# Altium PCB Bran_Main_Assay_PCB_v1.PcbDoc (part 4 of 4)
Units mil, origin at the board's own origin, x right, y up, seen from the top; angles counter-clockwise.
Board outline 3464.57 x 1881.89 mil, 6 copper layers (TOP, GND1, Singal, POWER, GND2, BOTTOM), stack 47.65 mil thick; 366 components, 309 nets, 1358 pads, 596 vias.
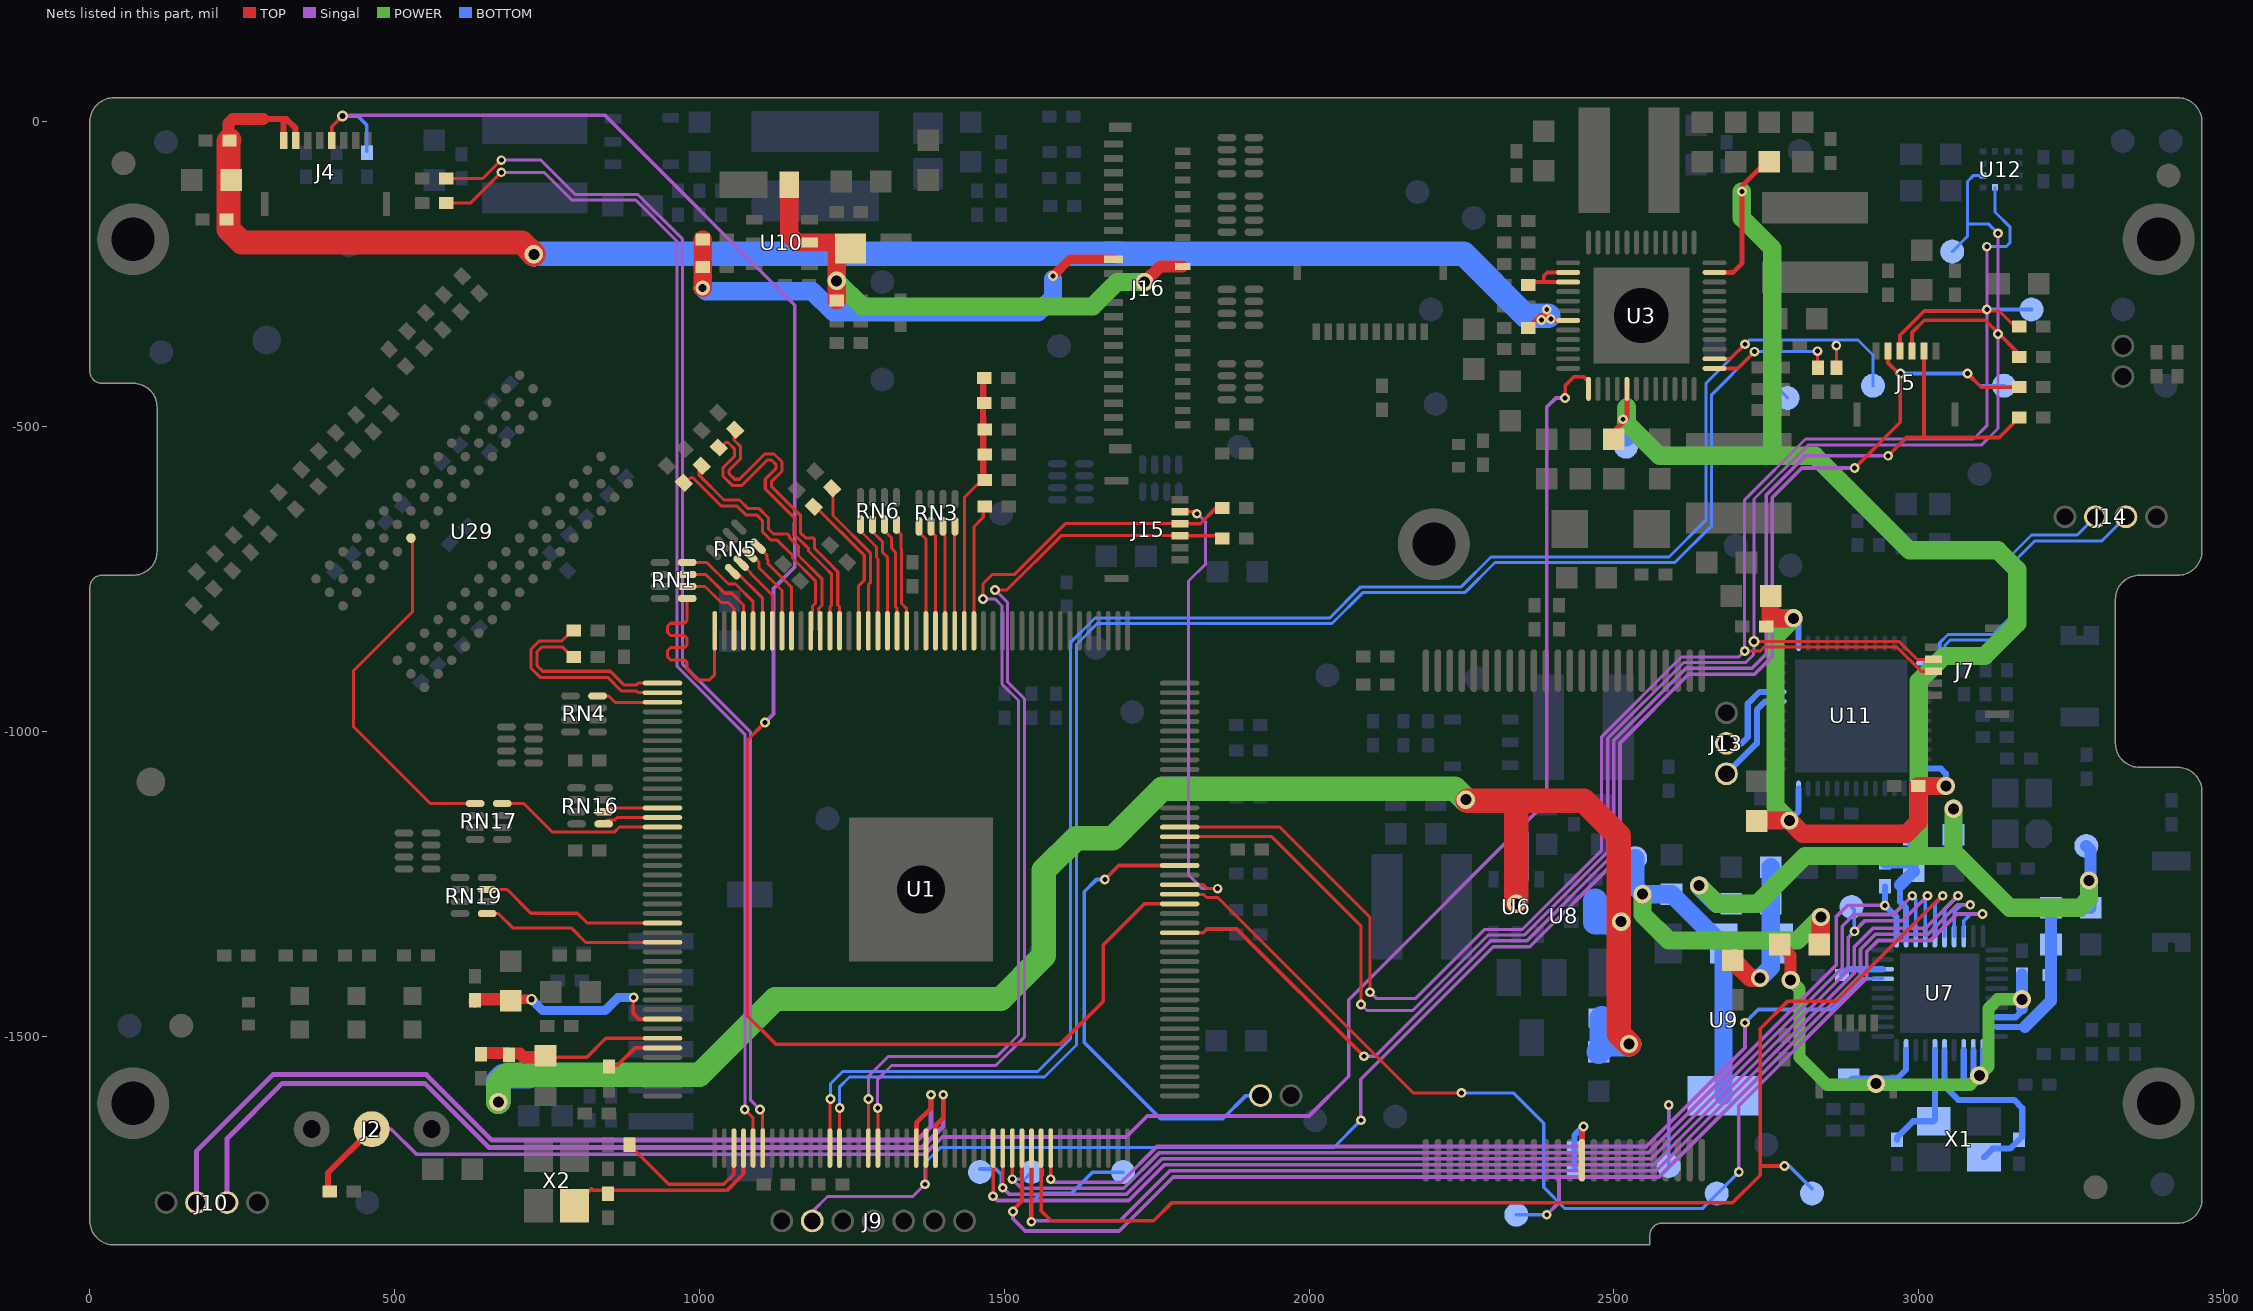
[diagram p8: the nets of this part, all layers, seen from the top]

## Via types
v1: diameter 16, hole 8, TOP to BOTTOM, tented both sides, 396 vias
v2: diameter 30, hole 18, TOP to BOTTOM, tented both sides, 64 vias
v3: diameter 18, hole 10, TOP to BOTTOM, tented both sides, 60 vias
v4: diameter 22, hole 12, TOP to BOTTOM, tented both sides, 35 vias
v5: diameter 25.98, hole 12.99, TOP to BOTTOM, tented both sides, 16 vias
v6: diameter 24, hole 13, TOP to BOTTOM, tented both sides, 15 vias
v7: diameter 19.68, hole 7.87, TOP to BOTTOM, tented both sides, 9 vias
v8: diameter 17.99, hole 10, TOP to BOTTOM, tented both sides, 1 vias

## Nets (pads, with @x,y where several pads share a name; then routed paths per layer and width w, separated by ;. In a path a pad name is that pad's centre, name@x,y a point inside that pad or via, vN(x,y) a via of type N, cw(c..) or ccw(c..) an arc to the next point about the centre after c; other vN are vias at no path point) (continued)
SCAS: RN16.5 U1.59 | length 100.8
  TOP w5: RN16.5@842.93,-1151.94 849.6,-1145.26 861.03,-1145.26 864.87,-1141.43 U1.59@939.38,-1141.43
SCK: R65.2 U1.45 | length 310.5
  TOP w5: R65.2@791.14,-877.81 774.88,-861.54 741.59,-861.54 733.59,-869.54 733.59,-892.39 742.74,-901.54 853.74,-901.54 876.03,-923.83 896.86,-923.83 899.73,-920.96 U1.45@939.38,-920.96
SCK-N: R68.2 U1.46 | length 343.8
  TOP w5: R68.2@791.14,-834.81 774.41,-851.54 737.44,-851.54 723.59,-865.39 723.59,-896.54 738.59,-911.54 849.59,-911.54 871.88,-933.83 896.86,-933.83 899.74,-936.71 U1.46@939.38,-936.71
SCKE: RN4.8 U1.47 | length 110.9
  TOP w5: RN4.8@832.84,-942.01 851.15,-942.01 861.59,-952.44 U1.47@939.38,-952.44
SDQ0: RN3.5 U1.22 | length 176.6
  TOP w5: RN3.5@1360.06,-663.8 1360.06,-673.44 1371.94,-685.33 1371.94,-701.9 1371.46,-702.39 U1.22@1371.46,-835.33
SDQ1: RN1.8 U1.40 | length 182.8
  TOP w5: RN1.8@979.84,-723.01 1012.06,-723.01 1047.59,-758.54 1059.15,-758.54 1088,-787.39 U1.40@1088,-835.33
SDQ2: RN3.6 U1.21 | length 174.5
  TOP w5: RN3.6@1379.75,-663.8 1379.75,-671.92 1386.94,-679.11 1386.94,-686.44 U1.21@1387.21,-835.33
SDQ3: RN1.7 U1.41 | length 155.7
  TOP w5: RN1.7@979.84,-742.69 1010.53,-742.69 1041.38,-773.55 1052.94,-773.55 1072.25,-792.86 U1.41@1072.25,-835.33
SDQ4: RN3.8 U1.19 | length 171.5
  TOP w5: U1.19@1418.71,-835.33 1418.71,-685.85 RN3.8@1419.12,-663.8
SDQ5: RN1.5 U1.44 | length 349.6
  TOP w5: RN1.5@979.84,-782.07 979.83,-817.78 974.83,-822.78 952.59,-822.78 947.59,-827.78 947.59,-837.78 952.59,-842.78 974.83,-842.78 979.83,-847.78 979.83,-857.78 974.83,-862.78 952.59,-862.78 947.59,-867.78 947.59,-877.78 952.59,-882.78 974.83,-882.78 979.83,-887.78 979.83,-898.78 996.59,-915.54 1016.59,-915.54 1025.01,-907.12 U1.44@1025.01,-835.33
SDQ6: RN3.7 U1.20 | length 198.2
  TOP w5: U1.20@1402.96,-835.33 1402.96,-782.28 1402.59,-781.9 1402.96,-760.8 1402.96,-680.19 1401.94,-679.17 ; RN3.7@1399.43,-663.8 1399.43,-670.38 RN3.7@1400.71,-671.66 ; RN3.7@1399.43,-663.8 RN3.7@1400.71,-671.66 ; RN3.7@1399.43,-663.8 RN3.7@1401.94,-672.89 ; RN3.7@1400.71,-671.66 1401.94,-679.17 ; RN3.7@1400.71,-671.66 RN3.7@1401.94,-672.89 ; 1401.94,-679.17 RN3.7@1401.94,-672.89
SDQ7: RN1.6 U1.42 | length 128.6
  TOP w5: RN1.6@979.84,-762.38 1008.99,-762.38 1035.16,-788.55 1046.72,-788.55 1056.5,-798.33 U1.42@1056.5,-835.33
SDQ8: RN5.7 U1.37 | length 148.7
  TOP w5: RN5.7@1082.28,-710.31 1085.31,-710.31 1097.54,-722.54 1097.54,-731.5 1135.24,-769.19 U1.37@1135.24,-835.33
SDQ9: RN6.7 U1.25 | length 183.2
  TOP w5: RN6.7@1303.42,-660.79 1303.43,-670.99 1315.32,-682.88 1315.32,-700.33 1321.42,-706.43 1321.42,-795.58 1324.22,-798.39 U1.25@1324.22,-835.33
SDQ10: RN5.5 U1.39 | length 120.8
  TOP w5: RN5.5@1054.44,-738.15 1059.98,-738.15 1103.75,-781.92 U1.39@1103.75,-835.33
SDQ11: RN6.8 U1.24 | length 181.5
  TOP w5: RN6.8@1323.11,-660.79 1323.12,-669.46 1330.32,-676.65 1330.32,-700.12 1331.42,-701.22 1331.42,-790.37 1339.97,-798.92 U1.24@1339.97,-835.33
SDQ12: RN5.8 U1.36 | length 161.6
  TOP w5: RN5.8@1096.2,-696.39 1110.59,-710.79 1110.59,-717.4 1112.54,-719.36 1112.54,-725.28 1150.99,-763.72 U1.36@1150.99,-835.33
SDQ13: RN6.6 U1.26 | length 184.8
  TOP w5: RN6.6@1283.74,-660.79 1283.75,-672.53 1300.32,-689.1 1300.32,-706.55 1308.47,-714.69 U1.26@1308.47,-835.33
SDQ14: RN5.6 U1.38 | length 132.3
  TOP w5: RN5.6@1068.36,-724.23 1083.68,-739.54 1083.68,-740.62 1119.5,-776.44 U1.38@1119.5,-835.33
SDQ15: RN6.5 U1.27 | length 186.4
  TOP w5: RN6.5@1264.05,-660.79 1264.06,-671.36 1290.32,-697.62 1290.32,-714.97 1292.72,-717.37 U1.27@1292.72,-835.33
SDQM0: R76.1 U1.29 | length 241.2
  TOP w5: R76.1@1189.18,-633.12 1191.98,-633.12 1270.31,-711.46 1270.31,-752.36 1261.23,-761.44 U1.29@1261.23,-835.33
SDQM1: R77.1 U1.28 | length 258.9
  TOP w5: R77.1@1219.18,-603.12 1219.18,-646.17 1280.31,-707.3 1280.31,-756.51 1276.98,-759.83 U1.28@1276.98,-835.33
SDQS0: R72.1 U1.31 | length 535.6
  TOP w5: R72.1@1060.18,-507.13 1056.67,-510.64 1056.67,-522.29 1067.63,-533.26 1067.63,-552.69 1048.59,-571.72 1048.59,-577.39 1057.75,-586.55 1065.51,-586.55 1074.66,-577.4 1107.04,-545.01 1122.38,-545.01 1135.37,-558 1135.37,-573.33 1117.92,-590.79 1117.92,-597.87 1165.5,-645.45 1165.5,-674.16 1173.99,-682.65 1186.01,-682.65 1186.22,-682.43 1188.59,-684.8 1188.59,-699.82 1189.59,-700.82 1209.14,-720.38 1226.86,-738.08 1226.86,-792.81 1229.73,-795.68 U1.31@1229.73,-835.33
SDQS0-N: R73.1 U1.32 | length 524.9
  TOP w5: R73.1@1033.18,-536.12 1042.87,-526.44 1046.68,-526.44 1057.63,-537.4 1057.63,-548.54 1038.59,-567.58 1038.59,-581.54 1053.6,-596.55 1069.66,-596.55 1084.66,-581.55 1111.19,-555.01 1118.23,-555.01 1125.37,-562.15 1125.37,-569.19 1107.92,-586.64 1107.92,-602.01 1156.5,-650.6 1156.5,-677.88 1178.59,-699.97 1178.59,-703.97 1179.59,-704.97 1205,-730.38 1216.86,-742.24 1216.86,-792.81 1213.98,-795.69 U1.32@1213.98,-835.33
SDQS1: R74.1 U1.33 | length 397
  TOP w5: R74.1@1005.18,-566.13 999.59,-571.72 999.59,-579.97 1040.23,-620.62 1065.67,-620.62 1079.9,-634.85 1097.9,-634.85 1113.1,-650.05 1113.1,-668.05 1121.59,-676.54 1144.74,-676.54 1147.5,-679.3 1147.5,-681.61 1162.59,-696.7 1162.59,-711.6 1200.7,-749.71 1200.7,-793.58 1195.59,-798.69 1195.59,-832.68 U1.33@1198.24,-835.33
SDQS1-N: R75.1 U1.34 | length 387.3
  TOP w5: R75.1@976.18,-594.12 976.18,-592.94 984.59,-584.54 990,-584.54 1036.08,-630.62 1061.52,-630.62 1075.75,-644.85 1093.75,-644.85 1103.1,-654.19 1103.1,-672.19 1117.44,-686.54 1127.78,-686.54 1152.59,-711.34 1152.59,-715.75 1190.7,-753.86 1190.7,-789.43 1185.59,-794.54 1185.59,-832.22 U1.34@1182.49,-835.33
SODT: RN19.5 U1.72 | length 307
  TOP w5: RN19.5@651.84,-1299.07 670.12,-1299.07 693.59,-1322.54 789.59,-1322.54 813.2,-1346.15 U1.72@939.38,-1346.15
SRAS: RN16.6 U1.58 | length 99.2
  TOP w5: RN16.6@842.93,-1132.25 849.5,-1125.68 U1.58@939.38,-1125.68
SRST: RN19.7 U1.70 | length 310.3
  TOP w5: RN19.7@651.84,-1259.69 684.59,-1259.69 723.43,-1298.54 799.55,-1298.54 815.67,-1314.65 U1.70@939.38,-1314.65
SVREF: C82.2 C84.1 C148.2 R89.1 R91.2 U1.18 | length 584.8
  TOP w5: U1.18@1434.46,-835.33 1434.46,-616.65 C148.2@1463.58,-587.54 ; C84.1@1464.98,-461.42 C82.2@1465,-504.15 ; C148.2@1465.49,-587.22 C148.2@1463.58,-587.54 ; C148.2@1465.54,-587.22 C148.2@1465.92,-587.15 ; C148.2@1463.58,-587.54 1465.54,-587.54 C148.2@1465.92,-587.15 ; C82.2@1465,-504.15 C82.2@1465.53,-504.68 ; C82.2@1465,-504.15 C82.2@1465.53,-504.69 ; C82.2@1465.53,-504.68 C82.2@1465.92,-505.08 ; C82.2@1465.53,-504.69 C82.2@1465.92,-505.08 ; C148.2@1465.92,-587.15 1465.92,-545.58 C82.2@1465.92,-505.08
  TOP w6: R89.1@1464.47,-420.19 1465,-420.72 1465.54,-442.94
  TOP w8.92: C82.2@1465,-504.15 C82.2@1465.54,-505.08
  TOP w9.22: R91.2@1465.54,-545.57 R91.2@1465.92,-545.57
  TOP w10: R89.1@1464.47,-420.19 1465,-420.72 1465.54,-421.26 1465.54,-442.94 1464.98,-461.33 C84.1@1464.98,-461.4 ; C84.1@1464.98,-461.44 1465.53,-504.68 C82.2@1465.54,-505.08 ; C148.2@1465.54,-587.54 1465.54,-587.22 R91.2@1465.54,-545.58 ; R91.2@1465.54,-545.57 C82.2@1465.54,-505.08 ; C82.2@1465.92,-505.08 C82.2@1465.54,-505.08
SWDCLK: J14.3 U11.25 | length 455.2
  BOTTOM w5: U11.25@3008.66,-888.11 3027.78,-888.11 3034.57,-881.32 3034.57,-854.72 3048.07,-841.22 3122.49,-841.22 3150.57,-813.15 3150.57,-712.58 3185,-678.15 3260,-678.15 J14.3@3290,-648.15
SWDIO: J14.2 U11.26 | length 514.7
  BOTTOM w5: U11.26@3008.66,-903.86 3030.43,-903.86 3043.57,-890.72 3043.57,-858.45 3051.79,-850.22 3127.93,-850.22 3159.57,-818.58 3159.57,-718.58 3190,-688.15 3300,-688.15 J14.2@3340,-648.15
SWE: RN17.8 U1.60 | length 285.4
  TOP w5: RN17.8@676.47,-1118.43 711.59,-1118.54 758.01,-1164.96 861.03,-1164.96 868.81,-1157.18 U1.60@939.38,-1157.18
SZQ: R94.2 U1.17 | length 210.1
  TOP w5: U1.17@1450.2,-835.33 1450.2,-664.4 1465.54,-649.07 R94.2@1465.54,-631.54
T_ALERT: J5.5 R132.2 U1.150 | length 2302.6
  TOP w6: U1.150@1787.8,-1330.4 1826.6,-1330.4 1832.73,-1324.28 1881.13,-1324.28 v1(2090,-1533.15) ; v1(2950,-548.15) 2980,-518.15 3132.17,-518.15 R132.2@3164.69,-485.63 ; 3008.86,-517.01 J5.5@3008.86,-375.98
  Singal w6: v1(2090,-1533.15) 2108.44,-1533.15 2298.16,-1343.43 2357.66,-1343.43 2500,-1201.09 2500,-1015.07 2618.44,-896.63 2700.14,-896.63 ; 2700.16,-896.65 2726.5,-896.65 2750,-873.15 2750,-612.44 2814.29,-548.15 v1(2950,-548.15)
T_RESET: J5.2 J9.2 R133.2 TP28.1 U1.111 | length 3109.6
  TOP w5: v1@1371.46,-1741.69 U1.111@1371.46,-1683.75
  TOP w6: v1(2895,-568.15) 2970,-493.15 v1(2970,-413.15) 2967.19,-413.15 2949.8,-395.76 J5.2@2949.8,-375.98 ; v1(3080,-413.15) 3102.48,-435.63 R133.2@3157.32,-435.63
  Singal w5: J9.2@1185,-1803.15 1185,-1788.15 1210,-1763.15 1350,-1763.15 v1(1370,-1743.15)
  Singal w6: v1(2085,-1638.15) 2085,-1570.73 2302.3,-1353.43 2361.81,-1353.43 2510,-1205.23 2510,-1019.21 2622.57,-906.65 2682.72,-906.65 ; 2682.74,-906.63 2696,-906.63 2730.64,-906.65 2760,-877.29 2760,-616.58 2808.43,-568.15 v1(2895,-568.15)
  BOTTOM w5: v1(1370,-1743.15) 1370,-1708.15 1395,-1683.15 2040,-1683.15 v1(2085,-1638.15)
  BOTTOM w6: v1@2968.59,-413.15 v1(2970,-413.15) v1(3080,-413.15) 3100,-433.15 TP28.1@3140,-433.15
TP-INT: J15.2 U1.155 | length 762.3
  TOP w5: U1.155@1787.8,-1251.67 1826.6,-1251.67 1833.09,-1258.15 v1(1850,-1258.15)
  TOP w6: J15.2@1788.1,-639.76 1812.5,-639.76 v1(1815.88,-643.14)
  Singal w5: v1(1815.88,-643.14) 1817.14,-643.14 1831,-657 1830.37,-657.63 1830.37,-725.63 1802.37,-753.63 1802.37,-1235.52 1825,-1258.15 v1(1850,-1258.15)
TS: J2.2 R10.2 U3.37 | length 3153.1
  TOP w6: v1(2420,-453.15) 2420,-433.15 2435,-418.15 2450,-418.15 2458.39,-426.54 U3.37@2458.39,-438.23
  TOP w10: R10.2@391.32,-1754.63 390.37,-1753.68 390.37,-1724.63 J2.2@462.37,-1652.63
  Singal w6: J2.2@462.37,-1652.63 494.48,-1652.63 535.48,-1693.63 1370.08,-1693.63 1398.08,-1665.63 1700,-1665.63 1734.63,-1631 2000,-1631 2065,-1566 2065,-1440.21 2390,-1115.21 2390,-468.15 2405,-453.15 v1(2420,-453.15)
TWI0-SCK: R8.2 TP47.1 U1.101 U3.2 | length 2988.8
  TOP w5: U1.101@1213.98,-1683.75 v1@1213.98,-1604.17 ; R8.2@2865,-403.46 v1(2865,-367.29)
  TOP w6: U3.2@2665.08,-389.02 2691.09,-389.02 v1(2715,-365.1)
  BOTTOM w5: v1(1215,-1603.15) 1215,-1578.15 1235,-1558.15 1555,-1558.15 1608.37,-1504.78 1608.37,-854.78 1648.97,-814.18 2033.97,-814.18 2085,-763.15 2249.57,-763.15 2298.57,-714.15 2590.37,-714.15 2651.37,-653.15 2651.37,-428.73 v1(2715,-365.1) 2721.95,-358.15 2865,-358.15 2900.51,-358.15 2925,-382.64 TP47.1@2925,-433.15
TWI0-SDA: R7.2 TP46.1 U1.102 U3.1 | length 2905.3
  TOP w5: U1.102@1229.73,-1683.75 1229.73,-1618.42 v1(1230,-1618.15) ; R7.2@2830,-403.46 2832.5,-400.96 2834.14,-399.32 v1(2834.14,-376.43)
  TOP w6: U3.1@2665.08,-404.76 2703.39,-404.76 v1(2730.86,-377.29)
  BOTTOM w5: v1(1230,-1618.15) 1230,-1583.15 1246,-1567.15 1566,-1567.15 1618.37,-1514.78 1618.37,-857.51 1652.7,-823.18 2037.7,-823.18 2088.73,-772.15 2256,-772.15 2305,-723.15 2600,-723.15 2660.37,-662.78 2660.37,-447.78 v1(2730.86,-377.29) 2765,-377.29 ; TP46.1@2785,-453.15 2765,-433.15 2765,-377.29 ; v1@2834.14,-377.29 2765,-377.29
TWI1-SCK: J15.3 R6.2 U1.105 | length 1611.9
  TOP w5: U1.105@1276.98,-1683.75 v1@1276.98,-1611.02 ; v1(1465,-783.15) 1465,-758.15 1480,-743.15 1516.58,-743.15 1600.28,-659.45 J15.3@1788.1,-659.45
  TOP w6: J15.3@1788.1,-659.45 1821.37,-659.45 1847.19,-633.63 R6.2@1857.69,-633.63 R6.2@1865.32,-633.63
  Singal w5: v1(1277.37,-1603.15) 1277.37,-1565.78 1310,-1533.15 1488.37,-1533.15 1523.37,-1498.15 1523.37,-949.63 1496.37,-922.63 1496.37,-794.52 1485,-783.15 v1(1465,-783.15)
TWI1-SDA: J15.4 R5.2 U1.106 | length 1556.5
  TOP w5: U1.106@1292.72,-1683.75 v1@1292.72,-1618.5 ; v1(1485,-768.15) 1504.31,-768.15 1593.32,-679.13 J15.4@1788.1,-679.13
  TOP w6: J15.4@1788.1,-679.13 1857.69,-679.13 1864.37,-679.13 1866.32,-681.09 R5.2@1866.32,-683.63
  Singal w5: v1(1292.37,-1618.15) 1292.37,-1570.78 1315,-1548.15 1486.1,-1548.15 1533.37,-1500.88 1533.37,-946.9 ; v1(1485,-768.15) 1505.37,-788.52 1505.37,-918.9 1532.37,-945.9 1532.37,-946.9
TWI2-SCK: J5.3 J7.3 R4.2 TP21.1 U1.161 U12.12 | length 3241.3
  TOP w5: U1.161@1787.8,-1157.18 1952.37,-1157.18 1952.37,-1157.63 2100,-1305.26 v1(2100,-1428.15) ; v1(2714.65,-868.5) 2739.65,-868.5 2746.15,-862 2964.57,-862 3004.14,-901.57 J7.3@3024.42,-901.57 ; v1(3111.85,-308.15) 3114.33,-310.63 3132.32,-310.63 3157.32,-335.63 R4.2@3164.69,-335.63
  TOP w6: J5.3@2968.37,-377.1 J5.3@2969.49,-375.98 2969.49,-350.51 3009.37,-310.63 v1@3109.37,-310.63
  Singal w5: v1(2100,-1428.15) 2110,-1438.15 2175,-1438.15 2288.22,-1324.93 2350,-1324.93 2480,-1194.93 2480,-1008.91 2610.78,-878.13 2705.02,-878.13 v1(2714.65,-868.5) 2714.65,-620.35 2814.37,-520.63 3090,-520.63 3111.85,-498.78 v1(3111.85,-308.15) v1(3111.85,-205)
  BOTTOM w5: v1(3111.85,-205) 3143.15,-205 3150,-198.15 3150,-173.15 3125.16,-148.31 U12.12@3125.16,-107.68
  BOTTOM w6: v1(3111.85,-308.15) TP21.1@3185,-308.15
TWI2-SDA: J5.4 J7.4 R3.2 TP20.1 U1.160 U12.2 | length 3267.7
  TOP w5: U1.160@1787.8,-1172.93 1938.67,-1172.93 2085,-1319.26 v1(2085,-1448.15) ; v3(2730.15,-853) 2968.29,-853 2997.18,-881.89 J7.4@3024.42,-881.89
  TOP w6: J5.4@2989.17,-375.98 2989.17,-345.83 3009.37,-325.63 3109.37,-325.63 3130.94,-347.2 3162.32,-378.58 R3.2@3162.32,-385.63
  Singal w5: v1(2085,-1448.15) 2095,-1458.15 2170,-1458.15 2294.22,-1333.93 2353.73,-1333.93 2490,-1197.66 2490,-1011.64 2614.51,-887.13 2704.07,-887.13 ; 2704.09,-887.15 2716.51,-887.15 2729.15,-874.5 2729.15,-869 2730,-868.15 2730,-853 2730,-619 2818.37,-530.63 3102.52,-530.63 3130,-503.15 v1(3130,-348.15) v1(3130,-183.15)
  BOTTOM w5: TP20.1@3055,-213.15 3080,-188.15 3080,-168.15 ; U12.2@3105.47,-87.99 3090.16,-87.99 3080,-98.15 3080,-168.15 ; v1(3130,-183.15) 3115,-168.15 3080,-168.15
UART0_RX: J10.3 U1.112 | length 1520.2
  TOP w8: U1.112@1387.21,-1683.75 1387.21,-1647.08 1400,-1634.29 v1(1400,-1596.15)
  Singal w8: J10.3@225,-1773.15 225,-1668.15 315.52,-1577.63 549.48,-1577.63 654.48,-1682.63 1365.52,-1682.63 1400,-1648.15 v1(1400,-1596.15)
UART0_TX: J10.2 U1.110 | length 1545.3
  TOP w8: U1.110@1355.72,-1683.75 1355.72,-1642.43 1380,-1618.15 v1(1380,-1596.15)
  Singal w8: J10.2@175,-1773.15 175,-1688.15 300,-1563.15 551.97,-1563.15 659.45,-1670.63 1357.52,-1670.63 1380,-1648.15 v1(1380,-1596.15)
UART_RX: J13.2 U11.9 | length 153.1
  BOTTOM w10: J13.2@2684.57,-1019.72 2709.57,-1019.72 2719.57,-1009.72 2719.57,-954.72 2738.94,-935.35 U11.9@2770.47,-935.35
UART_TX: J13.1 U11.8 | length 167.3
  BOTTOM w10: J13.1@2684.57,-1069.72 2734.57,-1019.72 2734.57,-964.72 2748.19,-951.1 U11.8@2770.47,-951.1
UBOOT: J11.1 U1.157 | length 778.2
  TOP w6: v1(1665,-1243.15) 1687.98,-1220.17 U1.157@1787.8,-1220.17
  BOTTOM w6: v1(1665,-1243.15) 1651.37,-1243.15 1631.37,-1263.15 1631.37,-1510.63 1756.37,-1635.63 1858.37,-1635.63 1896.37,-1597.63 J11.1@1920.37,-1597.63
USB0-DM: R157.2 U1.93 | length 1988.7
  TOP w5: R157.2@584.69,-133.15 625,-133.15 v1(675,-83.15) ; v1@672.5,-80.65 v1@675,-78.15 ; v1(1074.37,-1620.63) 1088,-1634.26 U1.93@1088,-1683.75
  Singal w5: v1(675,-83.15) 745,-83.15 790.48,-128.63 895.37,-128.63 963.37,-196.63 963.37,-893.63 1074.37,-1004.63 v1(1074.37,-1620.63)
USB0-DP: R158.2 U1.94 | length 1999.1
  TOP w5: R158.2@584.69,-93.15 644.49,-93.15 674.49,-63.15 v1(675,-63.15) ; v1(1099.37,-1620.63) 1103.75,-1625.01 U1.94@1103.75,-1683.75
  Singal w5: v1(675,-63.15) 740,-63.15 796.48,-119.63 899.1,-119.63 972.37,-192.9 972.37,-889.9 1083.37,-1000.9 1083.37,-1604.63 v1(1099.37,-1620.63)
USB0-IDET: J4.5 R99.1 U1.153 | length 3084.6
  TOP w6: J4.5@396.65,-30.71 396.65,-8.35 v3(414.37,9.37) ; v1(1107.37,-985.63) 1078.37,-1014.63 1078.37,-1466.52 1125,-1513.15 1592.37,-1513.15 1662.37,-1443.15 1662.37,-1350.63 1729.37,-1283.63 1729.37,-1283.15 U1.153@1787.8,-1283.15
  Singal w6: v3(414.37,9.37) 415.37,10.37 845,10.37 1156.37,-301 1156.37,-657.84 1156,-658.21 1156,-678.09 1156.37,-678.46 1156.37,-730.63 1121.37,-765.63 1121.37,-971.63 v1(1107.37,-985.63)
  BOTTOM w6: v3(414.37,9.37) 439.37,9.37 454.37,-5.63 R99.1@454.37,-48.58
USBVBUS: C145.2 C146.2 D6.1 J4.1 J4.2 R15.1 U3.31 | length 2654.2
  TOP w8: R15.1@2359.69,-338.15 2376.92,-320.92 2379.69,-318.15 2381.17,-318.15 2390,-318.15 2392.13,-318.15 2392.13,-319.24 v1(2396.63,-323.74) 2398.91,-326.02 U3.31@2424.92,-326.02
  TOP w10: 284.37,4.37 322.48,4.37 ; J4.1@317.91,-30.71 317.91,-0.2 322.48,4.37 ; J4.2@337.6,-30.71 337.6,-10.75 322.48,4.37
  TOP w20: D6.1@227.37,-32.32 227.37,-30.63 227.37,-2.63 234.37,4.37 284.37,4.37
  TOP w40: D6.1@229.06,-30.63 227.37,-32.32 227.37,-95.63 227.37,-160.63 227.37,-176.46 249.06,-198.15 708.89,-198.15 v2(728.37,-217.63)
  BOTTOM w40: v2(728.37,-217.63) 729.37,-216.63 2253.48,-216.63 2355,-318.15 2381.17,-318.15 2390,-318.15 v1@2392.13,-318.15
  other v1: 2381.17,-325.17 2390,-308.15
VCC-1V8: C199.1 R143.1 TP3.1 U9.2 U9.4 | length 885.8
  TOP w30: R143.1@2837.07,-1349.72 2839.57,-1347.22 v2(2839.57,-1304.72)
  POWER w30: v2(2547.07,-1267.22) 2547.07,-1300.22 2590,-1343.15 2801.14,-1343.15 v2(2839.57,-1304.72)
  BOTTOM w30: TP3.1@2535,-1208.15 2535,-1255.16 v2(2547.07,-1267.22) C199.1@2594.57,-1267.22 2675.49,-1348.15 U9.2@2680,-1348.15 U9.4@2680,-1598.15
VCC-5V: C73.1 C200.1 C201.1 D3.2 R24.2 R147.2 U6.5 | length 3066.4
  TOP w40: v2@2260,-1113.65 2450.5,-1113.65 2508.07,-1171.22 2508.07,-1312.22 2508.07,-1496.22 v2(2525,-1513.15) ; v2@2340,-1278.15 2340,-1118.65
  POWER w40: v2(670,-1608.15) 670,-1578.15 685,-1563.15 1000,-1563.15 1124,-1439.15 1494,-1439.15 1565,-1368.15 1565,-1228.15 1617.93,-1175.22 1677.93,-1175.22 1759,-1094.15 2239,-1094.15 v2(2257.07,-1112.22)
  BOTTOM w30: v2(2340,-1283.15) U6.5@2340,-1242.87
  BOTTOM w40: v2(670,-1608.15) 670,-1573.15 677.5,-1565.65 R147.2@720,-1565.65 ; U6.5@2340,-1242.87 C200.1@2340,-1167.83 ; R24.2@2469.69,-1278.15 C201.1@2469.69,-1313.15 v2@2505,-1313.15 ; C73.1@2475,-1525.65 C73.1@2480,-1520.65 ; D3.2@2480,-1470.55 C73.1@2480,-1520.65 ; v2(2525,-1513.15) 2487.5,-1513.15 C73.1@2480,-1520.65
  other v2: 2512.07,-1312.22
VCC-IO-WIFI: C177.2 R142.2 R155.2 U7.22 | length 212.5
  BOTTOM w10: 2969.57,-1252.22 2969.57,-1279.72 2979.45,-1289.61 U7.22@2979.45,-1336.22
  BOTTOM w20: R155.2@2944.57,-1215.04 2991.75,-1215.04 2992.07,-1214.72 R142.2@2992.07,-1169.72 ; 2969.57,-1252.22 C177.2@2992.07,-1229.72
VCC-WIFI-1V8: C174.2 C178.2 R143.2 U7.1 U7.2 U7.3 U7.9 U7.38 | length 1084.7
  TOP w20: R143.2@2772.07,-1349.72 2790,-1367.66 v2(2790,-1408.15)
  POWER w20: v2(2790,-1408.15) 2804.57,-1422.72 2804.57,-1534.72 2849.57,-1579.72 2930,-1579.72 3084.57,-1579.72 v2(3099.57,-1564.72) 3114.57,-1549.72 3114.57,-1454.72 3129.57,-1439.72 v2(3169.57,-1439.72)
  BOTTOM w10: 2959.57,-1574.72 2979.45,-1554.84 U7.9@2979.45,-1523.23 ; U7.3@3073.94,-1523.23 3073.94,-1569.09 3079.57,-1574.72 v2@3099.57,-1574.72 ; v2@3089.69,-1564.72 U7.2@3089.69,-1523.23 ; v2@3105.43,-1564.72 U7.1@3105.43,-1523.23 ; U7.38@3128.07,-1469.09 3158.94,-1469.09 3169.57,-1458.46 3169.57,-1454.72
  BOTTOM w20: C178.2@2892.07,-1574.72 2930,-1574.72 2959.57,-1574.72 ; 3169.57,-1454.72 v2(3169.57,-1439.72) C174.2@3169.57,-1399.41
  other v2: 2930,-1578.15
VCC-WIFI-3V3: C179.2 C205.2 R141.2 U7.39 | length 259.1
  BOTTOM w10: U7.39@3128.07,-1484.84 3174.45,-1484.84
  BOTTOM w20: 3174.45,-1484.84 3217.07,-1442.22 3217.07,-1399.72 C179.2@3217.07,-1349.72 R141.2@3217.07,-1289.72
VDD-3V3: C198.1 L14.1 L15.1 U9.3 | length 264.7
  TOP w30: C198.1@2695,-1375.65 2724.07,-1404.72 v2(2739.57,-1404.72)
  BOTTOM w30: v2(2739.57,-1404.72) 2757.5,-1386.79 2757.5,-1348.15 U9.3@2757.5,-1334.65 ; L15.1@2757.5,-1223.15 L14.1@2757.5,-1283.15 U9.3@2757.5,-1334.65 ; U9.3@2771,-1348.15 U9.3@2757.5,-1334.65
VDD-NRF: C187.1 C191.2 C195.2 R159.1 U11.13 U11.36 U11.48 | length 982.6
  TOP w30: C195.2@2734.57,-1147.22 2735.45,-1146.34 v2(2787.95,-1146.34) 2809.76,-1168.15 2980,-1168.15 2999.25,-1148.9 C191.2@2999.25,-1089.72 v2(3044.57,-1089.72) ; R159.1@2757.07,-778.15 2757.07,-812.54 2759.25,-814.72 v2(2794.57,-814.72)
  POWER w30: v2(2794.57,-814.72) 2765,-844.29 2765,-1123.39 v2(2787.95,-1146.34) v2@2794.76,-1153.15
  BOTTOM w10: v2@2789.57,-1144.72 2802.95,-1131.34 U11.48@2802.95,-1093.82 ; v2(2794.57,-814.72) 2802.95,-823.11 U11.13@2802.95,-855.63 ; U11.36@3008.66,-1061.34 3036.18,-1061.34 3044.57,-1069.72 v2(3044.57,-1089.72)
VINT: C60.1 U3.26 U3.27 | length 119.6
  TOP w6: C60.1@2359.69,-268.15 2364.8,-263.03 2385,-263.03 ; U3.27@2424.92,-263.03 2385,-263.03 ; U3.26@2424.92,-247.28 2390.87,-247.28 2385,-253.15 2385,-263.03
VLED+: C113.2 C116.2 D12.2 J16.18 U10.5 | length 890.1
  TOP w20: C113.2@1225.31,-210.43 C113.2@1237.6,-198.15 ; v2(1730,-263.15) 1755.75,-237.4 J16.18@1792.53,-237.4
  TOP w30: D12.2@1147.4,-103.15 1147.4,-185.55 1160,-198.15 U10.5@1180.28,-198.15 C113.2@1237.6,-198.15 ; C116.2@1225.31,-293.15 1225.31,-261.15 C113.2@1225.31,-210.43
  POWER w30: v2(1225,-261.15) 1267,-303.15 1645,-303.15 1685,-263.15 v2(1730,-263.15)
VLED-: J16.17 R49.2 R50.2 | length 822.2
  TOP w15: v1(1580,-253.15) 1607.56,-225.59 J16.17@1679.34,-225.59
  TOP w30: v6(1005.31,-272.83) R49.2@1005.31,-238.15 R50.2@1005.31,-193.15
  BOTTOM w30: v6(1005.31,-272.83) 1010.63,-278.15 1185,-278.15 1220,-313.15 1555,-313.15 1580,-288.15 v1@1580,-258.15
VPS: R32.2 R35.1 U8.38 | length 132.7
  TOP w10: U8.38@2447.52,-1703.78 2447.52,-1650.63 v1(2450,-1648.15)
  BOTTOM w10: R35.1@2435.32,-1718.15 R32.2@2435.31,-1683.15 2435.32,-1662.83 v1(2450,-1648.15)
VRA1: C1.2 U1.83 | length 99.7
  TOP w6: C1.2@851.37,-1547.58 851.42,-1547.63 866.12,-1547.63 894.37,-1519.38 U1.83@939.38,-1519.38
VRA2: C4.2 C5.2 R1.2 U1.82 | length 314.6
  TOP w6: C4.2@747.37,-1534.63 815.37,-1534.63 846.37,-1503.62 U1.82@939.38,-1503.62
  TOP w20: R1.2@641.37,-1527.58 686.37,-1527.58 687.37,-1528.58 705.37,-1528.58 712.42,-1535.63 713.42,-1534.63 C4.2@747.37,-1534.63
VRP: C2.2 C3.2 U1.80 | length 358
  TOP w6: v1(892,-1436.82) 891.59,-1437.24 891.59,-1463.15 900.57,-1472.14 U1.80@939.38,-1472.14
  TOP w15: C2.2@690.37,-1439.63 v3(724.37,-1439.63)
  TOP w20: C3.2@631.37,-1443.68 631.37,-1441.63 631.53,-1441.47 633.37,-1439.63 C2.2@690.37,-1439.63
  BOTTOM w15: v3(724.37,-1439.63) 742.89,-1458.15 845,-1458.15 866.33,-1436.82 v1(892,-1436.82)
WE: RN17.1 U29.L3 | length 602.4
  TOP w5: U29.L3@526.74,-683.05 529.59,-685.9 529.59,-803.54 432.59,-900.54 432.59,-992.55 558.47,-1118.43 RN17.1@631.99,-1118.43
WIFI_3V3: C63.2 C69.2 L14.2 R141.1 R142.1 TP1.1 TP58.1 U3.11 U3.41 | length 3190.6
  TOP w8: C63.2@2500,-520.65 2500,-508.15 2517.5,-490.65 2521.63,-486.52 2521.63,-438.48 U3.41@2521.38,-438.23 ; U3.11@2665.08,-247.28 2695.87,-247.28 2710,-233.15 v1(2710,-114.65) 2710,-105.65 C69.2@2745,-70.65
  POWER w30: 2521.63,-494.78 2575,-548.15 2830,-548.15 2985,-703.15 3130,-703.15 3161.57,-734.72 3161.57,-823.13 3108.27,-876.42 3041.73,-876.42 3000,-918.15 3000,-1204.72 ; v1@2521.63,-488.15 2521.63,-468.15 ; v2(2640,-1253.15) 2670,-1283.15 2735,-1283.15 2813.43,-1204.72 3000,-1204.72 ; v1(2710,-114.65) 2710,-158.15 2760,-208.15 2760,-543.15 ; 3057.07,-1197.22 v2(3057.07,-1127.22) ; v2(3279.57,-1244.72) 3279.57,-1274.72 3264.57,-1289.72 3149.57,-1289.72 3064.57,-1204.72 3000,-1204.72
  BOTTOM w20: R142.1@3057.07,-1169.72 v2(3057.07,-1127.22) ; TP1.1@3275,-1188.15 3282.07,-1195.22 3282.07,-1244.72 R141.1@3282.07,-1289.72
  BOTTOM w30: TP58.1@2520,-518.15 2520,-488.15 2520,-469.78 ; v2(2640,-1253.15) 2640,-1254.37 2668.78,-1283.15 L14.2@2692.5,-1283.15
  other v1: 2515,-488.15
WL-RESTN: TP5.1 U1.124 U7.17 | length 1711.4
  TOP w6: v1(1576.19,-1734.72) U1.124@1576.19,-1683.75
  Singal w6: v1(1576.19,-1734.72) 1581.19,-1739.72 1691.78,-1739.72 1750.37,-1681.13 2553.16,-1681.13 2590,-1644.29 ; v1(2590,-1613.15) 2590,-1644.29 ; v1(2715,-1478.15) 2715,-1519.29 2590,-1644.29
  BOTTOM w6: TP5.1@2590,-1713.15 v1(2590,-1613.15) ; v1(2715,-1478.15) 2736.71,-1456.44 2857.85,-1456.44 2908.19,-1406.1 U7.17@2941.06,-1406.1
WL-SDIO-CLK: TP34.1 U1.123 U7.25 | length 2122.7
  TOP w6: U1.123@1560.44,-1683.75 1560.44,-1786.56 1560.37,-1786.63 1576.89,-1803.15 1745,-1803.15 1775,-1773.15 2695,-1773.15 2740,-1728.15 2740,-1713.15 ; v1(2780,-1713.15) 2740,-1713.15 ; v1(3039.57,-1269.72) 3038.43,-1269.72 2865,-1443.15 2785,-1443.15 2740,-1488.15 2740,-1713.15
  BOTTOM w6: v1(2780,-1713.15) 2787.81,-1713.15 TP34.1@2825,-1750.34 ; U7.25@3026.69,-1336.22 3026.69,-1282.6 v1(3039.57,-1269.72)
WL-SDIO-CMD: TP33.1 U1.122 U7.26 | length 2163.8
  TOP w6: v1(1544.37,-1804.63) 1544.69,-1804.31 U1.122@1544.69,-1683.75
  Singal w6: v1@1545.85,-1803.15 1690,-1803.15 1772.02,-1721.13 2569.73,-1721.13 2894.57,-1396.29 2894.57,-1353.58 2925,-1323.15 3011.14,-1323.15 v1(3064.57,-1269.72)
  BOTTOM w6: v1(1544.37,-1804.63) 1544.37,-1773.78 1560,-1758.15 1610,-1758.15 1645,-1723.15 TP33.1@1695,-1723.15 ; U7.26@3042.44,-1336.22 3042.44,-1291.85 v1(3064.57,-1269.72)
WL-SDIO-D0: TP32.1 U1.118 U7.24 | length 1958.3
  TOP w6: v1(1481.7,-1762.72) U1.118@1481.7,-1683.75
  Singal w6: v1(1481.7,-1762.72) 1488.7,-1769.72 1704.2,-1769.72 1762.8,-1711.13 2565.59,-1711.13 2884.57,-1392.15 2884.57,-1338.15 v1(2894.57,-1328.15) 2912.13,-1310.59 2973.7,-1310.59 v1(3014.57,-1269.72)
  BOTTOM w6: TP32.1@2890,-1288.15 2894.57,-1292.72 v1(2894.57,-1328.15) ; U7.24@3010.94,-1336.22 v1@3010.94,-1273.35
WL-SDIO-D1: TP31.1 U1.119 U7.23 | length 1938.7
  TOP w6: v1@1497.45,-1752.6 v1(1497.45,-1748.72) U1.119@1497.45,-1683.75
  Singal w6: v1(1497.45,-1748.72) 1508.45,-1759.72 1700.06,-1759.72 1758.65,-1701.13 2561.45,-1701.13 2874.57,-1388.01 2874.57,-1319.72 2893.7,-1300.59 2958.7,-1300.59 v1(2989.57,-1269.72)
  BOTTOM w6: TP31.1@1460,-1718.15 1486.07,-1718.15 1495,-1727.08 1495,-1746.28 v1(1497.45,-1748.72) ; v1(2989.57,-1269.72) 2995.2,-1275.35 U7.23@2995.2,-1336.22
WL-SDIO-D2: R155.1 TP30.1 U1.120 U7.21 | length 1853.5
  TOP w6: v1(1513.2,-1734.72) U1.120@1513.2,-1683.75
  Singal w6: v1(1513.2,-1734.72) 1528.2,-1749.72 1695.92,-1749.72 1754.51,-1691.13 2557.31,-1691.13 2844.78,-1403.66 2864.57,-1383.87 2864.57,-1304.72 2883.7,-1285.59 v1(2944.57,-1285.59)
  BOTTOM w6: v1(1513.2,-1734.72) 1533.43,-1734.72 TP30.1@1545,-1723.15
  BOTTOM w10: R155.1@2944.57,-1254.41 v1(2944.57,-1285.59) 2963.7,-1304.72 U7.21@2963.7,-1336.22
WL-SDIO-D3: TP29.1 U1.121 U7.27 | length 2136.2
  TOP w5: U1.121@1528.94,-1683.75 U1.121@1529.07,-1683.87
  TOP w6: v1@1514.37,-1785.2 1529.07,-1770.5 U1.121@1529.07,-1683.87
  Singal w6: v1(1514.37,-1787.63) 1514.37,-1799.53 1534.57,-1819.72 1688.43,-1819.72 1777.02,-1731.13 2410,-1731.13 ; v1(2390,-1793.15) 2410,-1773.15 2410,-1731.13 ; v1(3084.57,-1284.72) 3063.71,-1284.72 3015.28,-1333.15 2929.14,-1333.15 2904.57,-1357.72 2904.57,-1400.44 2573.87,-1731.13 2410,-1731.13
  BOTTOM w6: TP29.1@2340,-1793.15 v1(2390,-1793.15) ; U7.27@3058.19,-1336.22 3058.19,-1296.1 3069.47,-1284.82 3084.57,-1284.82 v1(3084.57,-1284.72)
WL-WAKE-AP: TP4.1 U1.154 U7.28 | length 1942.7
  TOP w5: U1.154@1787.8,-1267.4 1826.6,-1267.4 1831.85,-1272.65 1850.01,-1272.65 2170.51,-1593.15 v1(2250,-1593.15)
  TOP w6: v1@3103.7,-1300.59 v1(3104.57,-1299.72)
  Singal w6: v1(2705,-1723.15) 2705,-1614.15 2914.57,-1404.58 2914.57,-1361.87 2933.28,-1343.15 3019.43,-1343.15 3062.85,-1299.72 v1(3104.57,-1299.72)
  BOTTOM w5: v1(2250,-1593.15) 2335,-1593.15 2385,-1643.15 2385,-1748.15 2420,-1783.15 2645,-1783.15 2669.37,-1758.78 v1(2705,-1723.15)
  BOTTOM w6: U7.28@3073.94,-1336.22 3073.94,-1311.2 3085.41,-1299.72 v1(3104.57,-1299.72)
WL_LPCK: R154.1 U7.18 | length 70.7
  BOTTOM w10: R154.1@2874.25,-1399.72 2883.62,-1390.35 U7.18@2941.06,-1390.35
X24MI: C37.2 U1.92 X2.1 | length 343.4
  TOP w6: X2.1@795,-1778.15 822.86,-1750.29 825.73,-1753.15 850,-1753.15 1045,-1753.15 1072.25,-1725.9 U1.92@1072.25,-1683.75
X24MO: R9.2 U1.91 | length 248
  TOP w6: R9.2@885,-1678.46 949.69,-1743.15 1040,-1743.15 1056.5,-1726.65 U1.91@1056.5,-1683.75
XTAL1: C196.1 U7.6 X1.1 | length 192.2
  BOTTOM w10: C196.1@2964.57,-1670.04 2964.57,-1666.17 2991.01,-1639.72 X1.1@3024.57,-1639.72 3026.69,-1637.6 U7.6@3026.69,-1523.23
XTAL2: C197.1 U7.5 X1.3 | length 325
  BOTTOM w10: U7.5@3042.44,-1523.23 3042.44,-1582.6 3064.57,-1604.72 3156.57,-1604.72 3170,-1618.15 3170,-1664.61 C197.1@3164.57,-1670.04 3149.88,-1684.72 3121.3,-1684.72 X1.3@3107.24,-1698.78
pads on no net: J1.5 J1.6 J3.11 J3.12 J4.6 J4.9 J4.10 J5.7 J5.8 J6.3 J6.4 J6.7 J6.8 J7.6 J7.7 J15.7 J15.8 J16.42 J16.43 M1.4 M1.5 M2.4 M2.5 U1.74 U1.77 U1.78 U1.84 U1.85 U1.86 U1.87 U1.95 U1.96 U1.99 U3.3 U3.5 U3.18 U3.19 U3.29 U3.30 U7.11 U7.12 U7.13 U7.14 U7.15 U7.16 U7.20 U7.29 U7.30 U7.31 U7.32 U7.33 U7.34 U7.35 U7.36 U7.37 U8.3 U8.4 U8.5 U8.11 U8.14 U8.15 U8.20 U8.21 U8.22 U8.26 U8.27 U8.28 U8.33 U8.40 U8.45 U8.46 U8.47 U11.2 U11.3 U11.4 U11.5 U11.6 U11.7 U11.10 U11.11 U11.12 U11.14 U11.15 U11.16 U11.17 U11.18 U11.19 U11.27 U11.28 U11.29 U11.37 U11.38 U11.39 U11.40 U11.41 U11.42 U11.43 U11.44 U12.4 U12.10 U29.J1 U29.J9 U29.L1 U29.L9 U29.M7

## Polygon pours and split planes (outlines as drawn)
DRAM-VCC on POWER "POWER-DRAM-VCC" (solid, remove dead copper, pour order 2): 73.5,-757.76 625.33,-205.94 994.85,-575.45 443.02,-1127.28
G-VDD on POWER "TOP-No Net 1" (solid, remove dead copper, pour order 58): 3040,-23.15 3200,-23.15 3200,-158.15 3205,-163.15 3200,-158.15 3040,-158.15
IPSOUT on POWER "TOP-No Net 1" (solid, remove dead copper, pour order 62): 990,21.85 2810,21.85 2795,6.85 2795,-548.15 2430,-548.15 2410,-528.15 2400,-538.15 2400,-1063.15 2015,-1063.15 2010,-1058.15 2015,-1053.15 2015,-878.15 2180,-878.15 2195,-893.15 2215,-873.15 2215,-183.15 995,-183.15 985,-173.15
CPU-VDD on POWER "TOP-No Net 1" (solid, remove dead copper, pour order 64): 1390,-663.15 1380,-673.15 1380,-1258.15 1900,-1258.15 1910,-1268.15 1910,-778.15 2075,-778.15 2100,-753.15 2100,-253.15 1680,-253.15 1670,-243.15 1690,-263.15 1690,-613.15 1550,-613.15 1450,-713.15 1440,-723.15 1440,-1158.15
BAT on POWER "TOP-No Net 1" (solid, remove dead copper, pour order 68): 525,-1648.15 965,-1648.15 1115,-1498.15 1160,-1453.15 1585,-1453.15 1585,-1198.15 1615,-1168.15 1660,-1123.15 2110,-1123.15 2555,-1123.15 2560,-1128.15 2360,-928.15 2360,-548.15 2580,-548.15 2590,-558.15 2580,-568.15 2580,-1113.15 2500,-1113.15 2490,-1123.15 2425,-1188.15 2425,-1378.15 2425,-1648.15 2405,-1668.15 2400,-1663.15 1245,-1663.15 1245,-1743.15 1185,-1803.15 1145.63,-1842.52 520,-1842.52
HPVCC on POWER "TOP-No Net 1" (solid, remove dead copper, pour order 70): 1075,-1863.15 2655,-1863.15 2705,-1813.15 2710,-1808.15 2710,-988.15 2710,-758.15 2795,-673.15 2810,-658.15 3445,-658.15 3445,-43.15 3395,6.85 3390,11.85 3025,11.85 3025,-348.15 2810,-563.15 2690,-683.15 2535,-683.15 2535,-1093.15 2440,-1188.15 2375,-1253.15 1910,-1253.15 1910,-1394.52 1686.37,-1618.15 1681.5,-1613.28 1089.85,-1613.28
VCC-WIFI-1V8 on POWER "TOP-No Net 1" (solid, remove dead copper, pour order 74): 2735,-1383.15 3295,-1383.15 3310,-1398.15 3295,-1413.15 3295,-1818.15 2730,-1818.15
no net on TOP "Bottom Layer-No Net" (solid, remove dead copper, pour order 21): 3330,-1325 3464.57,-1325 3464.57,-1455 3459.57,-1450 3410,-1450 3410,-1330 3405,-1335 3380,-1335 3380,-1455 3330,-1455
GND on TOP "Bottom Layer-No Net" (solid, remove dead copper, pour order 30): -85,226.85 15,126.85 3600,126.85 3600,-1948.15 3530,-2018.15 3485,-2063.15 -40,-2063.15
N496496 on TOP "Bottom Layer-No Net" (solid, remove dead copper, pour order 22): 2685,-293.15 2685,-263.15 2685.12,-263.03 2700.12,-263.03 2730,-233.15 2735,-228.15 2745,-228.15 2918.11,-228.15 2920.61,-225.65 2928.13,-233.16 2928.13,-295.27 2742.12,-295.27 2740,-293.15 2715,-293.15 2686.38,-293.15 2685,-294.53
N497618 on TOP "TOP-No Net 1" (solid, remove dead copper, pour order 86): 2584.37,-458.15 2585.24,-459.02 2615.87,-459.02 2630,-473.15 2635,-468.15 2800,-468.15 2800,-563.15 2795.1,-568.05 2592.6,-568.05 2592.6,-505.55 2595,-503.15 2590,-498.15 2585,-498.15
WIFI_3V3 on TOP "Bottom Layer-No Net" (solid, remove dead copper, pour order 29): 2650,-238.15 2655,-233.15 2695,-233.15 2695,-93.15 2705,-83.15 2745,-43.15 2780,-43.15 2785,-48.15 2780,-53.15 2780,-103.15 2735,-103.15 2725,-113.15 2725,-163.15 2725,-233.15 2705,-253.15 2700,-258.15 2650,-258.15
IPSOUT on TOP "Bottom Layer-No Net" (solid, remove dead copper, pour order 23): 2610,-48.15 2670,-48.15 2670,-173.15 2660,-183.15 2610,-183.15
USBVBUS on TOP "TOP-No Net 1" (solid, remove dead copper, pour order 54): 300,-48.15 300,26.85 210,26.85 210,-233.15 470,-233.15 715,-233.15 720,-228.15 720,-163.15 280,-163.15 275,-158.15 275,-48.15
N496956 on TOP "Bottom Layer-No Net" (solid, remove dead copper, pour order 20): 3464.57,-1138.15 3459.57,-1133.15 3340,-1133.15 3340,-1453.15 3345,-1448.15 3464.57,-1448.15
IPSOUT on TOP "Bottom Layer-No Net" (solid, remove dead copper, pour order 31): 2270,-558.15 2470,-558.15 2470,-493.15 2385,-493.15 2391.3,-486.85 2391.3,-413.92 2391.3,-402.72 2405,-389.02 2410,-384.02 2410,-373.15 2396.72,-373.15 2390,-366.43 2368.28,-388.15 2360,-388.15 2360,-513.15 2270,-513.15
GND on BOTTOM "Bottom Layer-No Net" (solid, remove dead copper, pour order 13): -135,201.85 4030,201.85 4180,351.85 4045,216.85 4045,-2303.15 55,-2303.15 -180,-2068.15
GND on Singal "Bottom Layer-No Net" (solid, remove dead copper, pour order 15): -190,61.85 -175,46.85 3580,46.85 3580,-1728.15 3415,-1893.15 3395,-1913.15 -175,-1913.15
GND on GND2 "TOP-No Net 1" (solid, remove dead copper, pour order 78): -390,191.85 3695,191.85 3760,126.85 3860,26.85 3860,-1998.15 -305,-1998.15 -390,-2083.15
GND on GND1 "Bottom Layer-No Net" (solid, remove dead copper, pour order 16): -25,51.85 -5,71.85 3450,71.85 3475,71.85 3485,61.85 3485,-678.15 3485,-1863.15 3480,-1868.15 3465,-1883.15 -15,-1883.15 -15,61.85 -10,66.85

## Keep-outs
Keep-Out Layer:
  lines w10: 0,-1803.15 ccw(c39.37,-1803.15) 39.37,-1842.52 2559.06,-1842.52 2559.06,-1826.77 cw(c2578.74,-1826.77) 2578.74,-1807.09 3425.2,-1807.09 ccw(c3425.2,-1767.72) 3464.57,-1767.72 3464.57,-1098.43 ccw(c3425.2,-1098.43) 3425.2,-1059.06 3362.2,-1059.06 cw(c3362.2,-1019.69) 3322.83,-1019.69 3322.83,-783.46 cw(c3362.2,-783.46) 3362.2,-744.09 3425.2,-744.09 ccw(c3425.2,-704.72) 3464.57,-704.72 3464.57,0 ccw(c3425.2,0) 3425.2,39.37 39.37,39.37 ccw(c39.37,0) 0,0 0,-409.45 ccw(c19.69,-409.45) 19.69,-429.13 70.87,-429.13 cw(c70.87,-468.5) 110.24,-468.5 110.24,-704.72 cw(c70.87,-704.72) 70.87,-744.09 19.69,-744.09 ccw(c19.69,-763.78) 0,-763.78 0,-1803.15 ; 2874.02,-783.46 cw(c2874.02,-763.78) 2874.02,-744.09 3110.24,-744.09 cw(c3110.24,-763.78) 3110.24,-783.46 2874.02,-783.46

## Other copper
TOP:
  rectangle net N497492: 2570,-168.15 2600.12,-93.15
  rectangle net BAT: 2435,-473.15 2485,-463.15
  rectangle net BAT: 2400,-493.15 2435,-468.15
  rectangle net IPSOUT: 2480,-170 2505.63,-155
  rectangle net CORE-VDD: 2535,-170 2565,-155
  rectangle net IPSOUT: 2500,-195 2510,-170
  rectangle net CORE-VDD: 2562.43,-195.5 2570,-175
  rectangle net USBVBUS: 2380,-330.43 2400,-300
  pour cut-out: 2608.28,-181.21 2610.21,-183.15 2639.71,-183.15 2639.71,-198.07 2608.28,-198.07
  pour cut-out: 2739.39,-170.65 2919.31,-170.65 2920.61,-169.35 2920.61,-225.65 2739.39,-225.65
  pour cut-out: 2614.39,-563.05 2614.8,-563.47 2795.61,-563.47 2795.61,-620.65 2614.39,-620.65
  pour cut-out: 1255,-658.15 1080,-658.15 885,-853.15 810,-853.15 505,-548.15 740,-313.15 910,-313.15
  pour cut-out: 1425,-623.15 1255,-623.15 1255,-658.15 1425,-658.15
  pour cut-out: 935,-713.15 945,-723.15 1025,-723.15 1025,-918.15 1030,-923.15 890,-923.15 890,-823.15 883.6,-816.75 883.6,-717.51
  pour cut-out: 610,-1233.15 645,-1233.15 645,-1308.15 610,-1308.15
  pour cut-out: 320,-733.15 686.61,-366.54 690,-366.54 935,-611.54 565,-981.54 565,-983.15
  pour cut-out: 320,-733.15 690,-363.15 690,-366.54 935,-611.54 565,-981.54 565,-983.15
  pour cut-out: 2403.51,-367.51 2403.45,-367.56 2403.45,-394.74 2423.18,-394.74 2424.93,-396.49 2424.93,-365.68 2408.29,-365.68
  pour cut-out: 3200,-735 3325,-735 3322.83,-737.17 3322.83,-820 3200,-820
  pour cut-out: 3200,-860 3265,-860 3265,-825 3270,-820 3322.83,-820 3322.83,-1047.83 3325,-1050 3290,-1050 3290,-990 3260,-990 3260,-1055 3255,-1050 3200,-1050
  pour cut-out: 3330,-1135 3400,-1135 3400,-1215 3430,-1215 3430,-1135 3465,-1135 3464.57,-1135.43 3464.57,-1325 3330,-1325
  pour cut-out: 3330,-1325 3464.57,-1325 3464.57,-1450 3415,-1450 3415,-1330 3380,-1330 3380,-1450 3330,-1450
BOTTOM:
  pour cut-out: 3200,-820 3200.02,-735.65 3255.02,-735.65 3255,-820
  pour cut-out: 3254.8,-860.65 3255.02,-735.65 3270,-735.65 3270,-860.65 3264.8,-860.65
  pour cut-out: 3330.22,-1138.15 3332.72,-1326.75 3410.22,-1328.15 3465,-1328.15 3464.78,-1138.15
  pour cut-out: 3200,-863.15 3325,-863.15 3325,-1053.15 3200,-1053.15
  pour cut-out: 3410,-1453.15 3410.22,-1328.15 3425.2,-1328.15 3425.2,-1453.15 3420,-1453.15

## Silkscreen, mask and mechanical layers (free items; w line width, h text height)
Silkscreen Top:
  text "4#" at 695,-1803.15 h40 r90
  text "11BRANMB10A-ClearGrass-2016/06/21-P1" at 1500,-1823.15 h60
Silkscreen Bottom:
  drawing of 617 lines, arcs and shapes, not listed
  text "2#" at 3270,-1113.15 h40 r90
  text "Danger! Electric" at 960,-1123.15 h40
  text "4#" at 3040,-1768.15 h40